# KiCad board gk-pcbv3.kicad_pcb (continued)
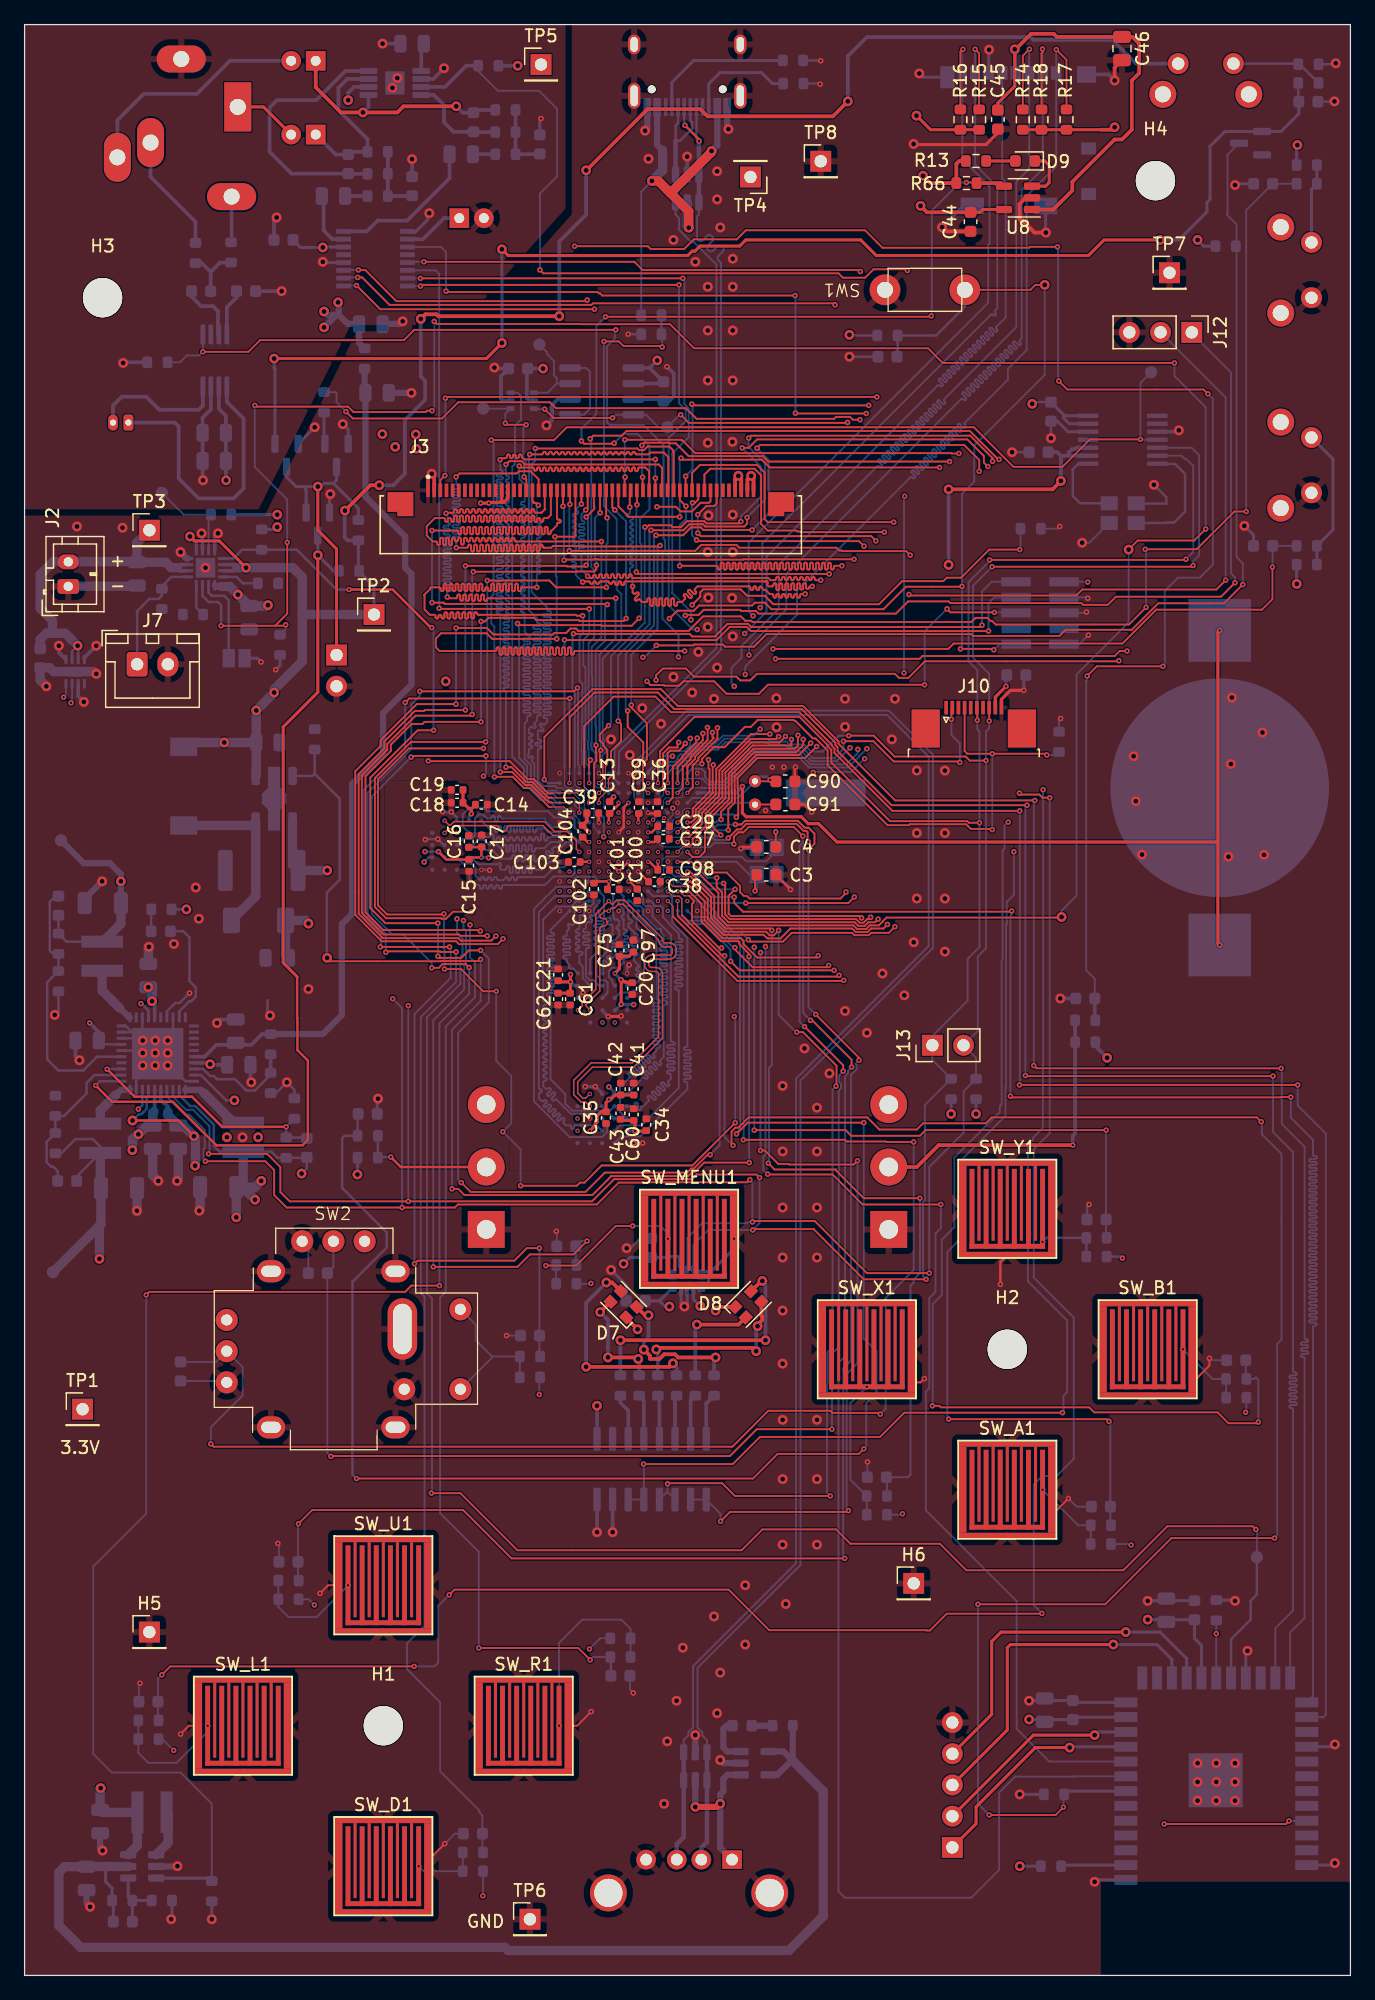
[diagram p0: board, top side]
## Routing (per net, layer and track width the routed paths; a pad name or vN(x,y) marks a point on that pad's centre or on a via; arc(x,y) is an arc through that point) (continued)
  Bottom w0.152: v1(49.5,113.03) 49.5,113.64 49.3,113.84 49.3,114.48 arc(49.33,114.55) 49.4,114.58 49.45,114.58 arc(49.52,114.61) 49.55,114.67 49.55,114.72 arc(49.52,114.79) 49.45,114.82 49.4,114.82 arc(49.33,114.85) 49.3,114.92 49.3,114.97 arc(49.33,115.03) 49.4,115.06 49.45,115.06 arc(49.52,115.09) 49.55,115.16 49.55,115.21 arc(49.52,115.28) 49.45,115.31 49.4,115.31 arc(49.33,115.33) 49.3,115.4 49.3,115.45 arc(49.33,115.52) 49.4,115.55 49.45,115.55 arc(49.52,115.58) 49.55,115.64 49.55,115.69 arc(49.52,115.76) 49.45,115.79 49.4,115.79 arc(49.33,115.82) 49.3,115.89 49.3,115.94 arc(49.33,116) 49.4,116.03 49.45,116.03 arc(49.52,116.06) 49.55,116.13 49.55,116.18 arc(49.52,116.25) 49.45,116.27 49.4,116.27 arc(49.33,116.3) 49.3,116.37 49.3,116.42 arc(49.33,116.49) 49.4,116.52 49.45,116.52 arc(49.52,116.55) 49.55,116.61 49.55,116.66 arc(49.52,116.73) 49.45,116.76 49.4,116.76 arc(49.33,116.79) 49.3,116.86 49.3,116.9 arc(49.33,116.97) 49.4,117 49.45,117 arc(49.52,117.03) 49.55,117.1 49.55,117.15 arc(49.52,117.22) 49.45,117.24 49.4,117.24 arc(49.33,117.27) 49.3,117.34 49.3,117.39 arc(49.33,117.46) 49.4,117.49 49.45,117.49 arc(49.52,117.52) 49.55,117.58 49.55,117.63 arc(49.52,117.7) 49.45,117.73 49.4,117.73 arc(49.33,117.76) 49.3,117.83 49.3,117.87 arc(49.33,117.94) 49.4,117.97 49.45,117.97 arc(49.52,118) 49.55,118.07 49.55,118.12 arc(49.52,118.19) 49.45,118.21 49.4,118.21 arc(49.33,118.24) 49.3,118.31 49.3,118.36 arc(49.33,118.43) 49.4,118.46 49.45,118.46 arc(49.52,118.48) 49.55,118.55 49.55,118.6 arc(49.52,118.67) 49.45,118.7 49.1,118.7 arc(49.03,118.73) 49,118.8 49,118.84 arc(49.03,118.91) 49.1,118.94 49.2,118.94 arc(49.27,118.97) 49.3,119.04 49.3,119.46 v1(49.28,119.48)
LTDC_G2: length 92.4
  Top w0.152: J3.33 48.85,121.88 v1(48.89,121.92) ; v3(53.97,89.03) 54.21,89.03 55.62,87.62 55.62,85.96 56.89,84.68 60.17,84.68 60.45,84.4 60.54,84.4 60.56,84.39 61.55,84.39 62.36,85.19 67.38,85.19 67.67,84.9 68.63,84.9 68.92,85.19 69.93,85.19 v1(70.26,85.52) ; v1(48.87,124.97) 53.44,124.97 53.49,124.92 53.57,124.92 54.61,123.88 75.44,123.88 75.46,123.85 v1(76.07,123.85)
  In3.Cu w0.152: v1(70.26,85.52) 70.26,97.54 72.06,99.34 72.06,106.83 75.9,110.67 75.9,123.67 v1(76.07,123.85)
  Bottom w0.152: v1(48.89,121.92) 48.87,121.95 v1(48.87,124.97)
LTDC_G3: length 88.6
  Top w0.152: v1(74.5,122.71) 60.68,122.71 60.05,123.34 53.57,123.34 v1(53.44,123.47) ; v1(68.15,86.06) 67.99,86.21 57.51,86.21 57.32,86.4 57.32,87.85 v1(57.85,88.39) ; J3.32 48.35,119.54 49.2,118.69 v1(53.34,118.69)
  In3.Cu w0.152: v1(68.15,86.06) 68.15,97.25 69.72,98.83 69.72,99.25 69.75,99.28 69.75,105.78 74.04,110.07 74.04,122.25 v1(74.5,122.71)
  Bottom w0.152: v1(53.34,118.69) 53.34,123.37 v1(53.44,123.47) ; U4.M1 55.1,89.03 55.74,88.39 v1(57.85,88.39)
LTDC_G4: length 71.6
  Top w0.152: v1(48.06,119.25) 47.85,119.46 J3.31 ; v1(37.16,102.01) 32.56,102.01 32.38,101.83 31.5,101.83 29.82,100.15 29.82,99.64 27.76,97.59 27.76,86.51 29.21,85.06 37.03,85.06 v1(37.11,84.99) ; v1(48.98,110.42) 48.77,110.21 45.19,110.21 45.11,110.29 41.66,110.29 41.47,110.48 37.78,110.48 37.49,110.19 v1(37.16,110.19)
  In3.Cu w0.152: v1(37.11,84.99) 37.88,84.99 38.14,85.24 40.39,85.24 43.37,88.23 v3(43.57,88.23)
  Bottom w0.152: v1(48.06,119.25) 48.98,118.33 v1(48.98,110.42) ; v1(37.16,102.01) v1(37.16,110.19)
LTDC_G5: length 71.9
  Top w0.152: v1(37.54,100.38) 31.47,100.38 28.52,97.44 28.52,86.94 29.43,86.03 33.92,86.03 33.97,85.98 34.3,85.98 34.89,86.56 v1(36.4,86.56) ; v1(37.67,113.51) 42.72,113.51 43.28,112.95 v1(47.37,112.95) ; J3.30 47.35,118.69 v1(47.42,118.62)
  In3.Cu w0.09: 43.83,90.56 45.23,90.56 v3(45.97,89.83)
  In3.Cu w0.152: 43.83,90.56 43.57,90.56 39.65,86.64 36.47,86.64 v1(36.4,86.56)
  Bottom w0.152: v1(37.54,100.38) 37.67,100.51 v1(37.67,113.51) ; v1(47.42,118.62) 47.47,118.57 47.47,116.56 47.37,116.46 v1(47.37,112.95)
LTDC_G6: length 70.1
  Top w0.152: v1(36.53,114.22) 44.98,114.22 45.01,114.25 46.38,114.25 46.56,114.43 v1(46.56,114.76) ; v1(36.45,102.62) 36.35,102.51 31.84,102.51 29.53,100.2 29.53,99.73 27.46,97.66 27.46,86.47 29.22,84.71 35.36,84.71 35.47,84.6 v1(37.67,84.6) ; J3.29 46.85,119.04 v1(46.86,119.02)
  In3.Cu w0.09: 43.36,87.85 43.99,87.85 v3(44.37,88.23)
  In3.Cu w0.152: 43.36,87.85 43.36,87.83 40.52,85 38.24,85 37.84,84.6 v1(37.67,84.6)
  Bottom w0.152: v1(36.53,114.22) 36.45,114.15 v1(36.45,102.62) ; v1(46.86,119.02) 46.43,118.59 46.43,115.24 46.56,115.11 v1(46.56,114.76)
LTDC_G7: length 69.3
  Top w0.152: v1(45.73,114.77) 45.62,114.66 44.17,114.66 44.12,114.71 v1(35.89,114.71) ; J3.28 46.35,119.59 46.38,119.56 46.38,119.33 v1(45.73,118.68) ; v1(35.89,102.97) 32.59,102.97 32.51,102.9 31.78,102.9 29.29,100.41 29.29,99.85 28.07,98.63 28.07,98.62 27.2,97.75 27.2,86.39 29.18,84.41 35.31,84.41 35.52,84.21 38,84.21 v1(38.38,84.58)
  In3.Cu w0.152: v3(43.57,87.43) 43.39,87.43 40.67,84.71 39.5,84.71 39.45,84.76 38.78,84.76 38.68,84.66 38.45,84.66 v1(38.38,84.58)
  Bottom w0.152: v1(45.73,118.68) 45.87,118.54 45.87,114.91 v1(45.73,114.77) ; v1(35.89,102.97) v1(35.89,114.71)
LTDC_HSYNC: length 73.2
  Top w0.152: v1(49.4,103.38) 49.4,103.17 50.67,101.9 50.67,98.96 50.36,98.65 50.36,96.63 v3(50.77,96.23) ; v1(51.74,116.36) 51.67,116.28 45.11,116.28 45.07,116.32 43.01,116.32 42.88,116.18 42.27,116.18 arc(42.2,116.21) 42.17,116.28 42.17,116.33 arc(42.15,116.4) 42.08,116.43 42.03,116.43 arc(41.96,116.4) 41.93,116.33 41.93,115.98 arc(41.9,115.91) 41.83,115.88 41.79,115.88 arc(41.72,115.91) 41.69,115.98 41.69,116.33 arc(41.66,116.4) 41.59,116.43 41.54,116.43 arc(41.47,116.4) 41.45,116.33 41.45,115.98 arc(41.42,115.91) 41.35,115.88 41.3,115.88 arc(41.23,115.91) 41.2,115.98 41.2,116.33 arc(41.18,116.4) 41.11,116.43 41.06,116.43 arc(40.99,116.4) 40.96,116.33 40.96,115.98 arc(40.93,115.91) 40.86,115.88 40.82,115.88 arc(40.75,115.91) 40.72,115.98 40.72,116.33 arc(40.69,116.4) 40.62,116.43 40.57,116.43 arc(40.51,116.4) 40.48,116.33 40.48,115.98 arc(40.45,115.91) 40.38,115.88 40.33,115.88 arc(40.26,115.91) 40.23,115.98 40.23,116.33 arc(40.21,116.4) 40.14,116.43 40.09,116.43 arc(40.02,116.4) 39.99,116.33 39.99,115.98 arc(39.96,115.91) 39.9,115.88 39.85,115.88 arc(39.78,115.91) 39.75,115.98 39.75,116.33 arc(39.72,116.4) 39.65,116.43 39.6,116.43 arc(39.54,116.4) 39.51,116.33 39.51,115.98 arc(39.48,115.91) 39.41,115.88 39.36,115.88 arc(39.29,115.91) 39.26,115.98 39.26,116.33 arc(39.24,116.4) 39.17,116.43 39.12,116.43 arc(39.05,116.4) 39.02,116.33 39.02,115.98 arc(38.99,115.91) 38.93,115.88 38.88,115.88 arc(38.81,115.91) 38.78,115.98 38.78,116.33 arc(38.75,116.4) 38.68,116.43 38.63,116.43 arc(38.57,116.4) 38.54,116.33 38.54,115.98 arc(38.51,115.91) 38.44,115.88 38.39,115.88 arc(38.32,115.91) 38.3,115.98 38.3,116.33 arc(38.27,116.4) 38.2,116.43 38.15,116.43 arc(38.08,116.4) 38.05,116.33 38.05,115.98 arc(38.02,115.91) 37.96,115.88 37.91,115.88 arc(37.84,115.91) 37.81,115.98 37.81,116.33 arc(37.78,116.4) 37.71,116.43 37.67,116.43 arc(37.6,116.4) 37.57,116.33 37.57,115.98 arc(37.54,115.91) 37.47,115.88 37.42,115.88 arc(37.35,115.91) 37.33,115.98 37.33,116.33 arc(37.3,116.4) 37.23,116.43 37.18,116.43 arc(37.11,116.4) 37.08,116.33 37.08,115.98 arc(37.05,115.91) 36.99,115.88 36.94,115.88 arc(36.87,115.91) 36.84,115.98 36.84,116.33 arc(36.81,116.4) 36.74,116.43 36.7,116.43 arc(36.63,116.4) 36.6,116.33 36.6,115.98 arc(36.57,115.91) 36.5,115.88 36.45,115.88 arc(36.38,115.91) 36.36,115.98 36.36,116.33 arc(36.33,116.4) 36.26,116.43 36.21,116.43 arc(36.14,116.4) 36.11,116.33 36.11,116.28 arc(36.09,116.21) 36.02,116.18 v1(35.15,116.18) ; J3.19 41.85,121.75 41.2,122.4 40.25,122.4 40.07,122.22 35.41,122.22 v1(35.13,121.95)
  Bottom w0.152: v1(51.74,116.36) 51.54,116.15 51.54,109.6 49.4,107.47 v1(49.4,103.38) ; v1(35.13,121.95) 35.15,121.92 35.15,121.3 arc(35.18,121.23) 35.25,121.21 35.36,121.21 arc(35.43,121.18) 35.45,121.11 35.45,121.06 arc(35.43,120.99) 35.36,120.96 34.95,120.96 arc(34.88,120.94) 34.85,120.87 34.85,120.82 arc(34.88,120.75) 34.95,120.72 35.36,120.72 arc(35.43,120.69) 35.45,120.62 35.45,120.58 arc(35.43,120.51) 35.36,120.48 34.95,120.48 arc(34.88,120.45) 34.85,120.38 34.85,120.33 arc(34.88,120.26) 34.95,120.24 35.36,120.24 arc(35.43,120.21) 35.45,120.14 35.45,120.09 arc(35.43,120.02) 35.36,119.99 34.95,119.99 arc(34.88,119.97) 34.85,119.9 34.85,119.85 arc(34.88,119.78) 34.95,119.75 35.36,119.75 arc(35.43,119.72) 35.45,119.65 35.45,119.61 arc(35.43,119.54) 35.36,119.51 34.95,119.51 arc(34.88,119.48) 34.85,119.41 34.85,119.36 arc(34.88,119.3) 34.95,119.27 35.36,119.27 arc(35.43,119.24) 35.45,119.17 35.45,119.12 arc(35.43,119.05) 35.36,119.02 34.95,119.02 arc(34.88,119) 34.85,118.93 34.85,118.88 arc(34.88,118.81) 34.95,118.78 35.36,118.78 arc(35.43,118.75) 35.45,118.69 35.45,118.64 arc(35.43,118.57) 35.36,118.54 34.95,118.54 arc(34.88,118.51) 34.85,118.44 34.85,118.39 arc(34.88,118.33) 34.95,118.3 35.36,118.3 arc(35.43,118.27) 35.45,118.2 35.45,118.15 arc(35.43,118.08) 35.36,118.05 34.95,118.05 arc(34.88,118.03) 34.85,117.96 34.85,117.91 arc(34.88,117.84) 34.95,117.81 35.36,117.81 arc(35.43,117.78) 35.45,117.72 35.45,117.67 arc(35.43,117.6) 35.36,117.57 34.95,117.57 arc(34.88,117.54) 34.85,117.47 34.85,117.42 arc(34.88,117.36) 34.95,117.33 35.36,117.33 arc(35.43,117.3) 35.45,117.23 35.45,117.18 arc(35.43,117.11) 35.36,117.09 34.95,117.09 arc(34.88,117.06) 34.85,116.99 34.85,116.94 arc(34.88,116.87) 34.95,116.84 35.06,116.84 arc(35.13,116.81) 35.15,116.75 v1(35.15,116.18)
LTDC_R0: length 65.4
  Top w0.152: J3.27 45.85,119.41 v1(45.69,119.25) ; v1(64.82,113.54) 64.43,113.54 arc(64.36,113.57) 64.33,113.63 64.33,113.69 arc(64.3,113.76) 64.24,113.79 64.19,113.79 arc(64.12,113.76) 64.09,113.69 64.09,113.63 arc(64.06,113.57) 63.99,113.54 63.94,113.54 arc(63.88,113.57) 63.85,113.63 63.85,113.69 arc(63.82,113.76) 63.75,113.79 63.7,113.79 arc(63.63,113.76) 63.61,113.69 63.61,113.63 arc(63.58,113.57) 63.51,113.54 63.46,113.54 arc(63.39,113.57) 63.36,113.63 63.36,113.69 arc(63.33,113.76) 63.27,113.79 63.22,113.79 arc(63.15,113.76) 63.12,113.69 63.12,113.63 arc(63.09,113.57) 63.02,113.54 62.98,113.54 arc(62.91,113.57) 62.88,113.63 62.88,113.69 arc(62.85,113.76) 62.78,113.79 62.73,113.79 arc(62.66,113.76) 62.64,113.69 62.64,113.63 arc(62.61,113.57) 62.54,113.54 62.49,113.54 arc(62.42,113.57) 62.39,113.63 62.39,113.69 arc(62.37,113.76) 62.3,113.79 62.25,113.79 arc(62.18,113.76) 62.15,113.69 62.15,113.63 arc(62.12,113.57) 62.05,113.54 62.01,113.54 arc(61.94,113.57) 61.91,113.63 61.91,113.69 arc(61.88,113.76) 61.81,113.79 61.76,113.79 arc(61.69,113.76) 61.67,113.69 61.67,113.63 arc(61.64,113.57) 61.57,113.54 61.52,113.54 arc(61.45,113.57) 61.42,113.63 61.42,113.69 arc(61.4,113.76) 61.33,113.79 61.28,113.79 arc(61.21,113.76) 61.18,113.69 61.18,113.63 arc(61.15,113.57) 61.08,113.54 60.73,113.54 60.55,113.72 49.54,113.72 arc(49.47,113.74) 49.44,113.81 49.44,113.92 arc(49.41,113.99) 49.34,114.02 49.29,114.02 arc(49.22,113.99) 49.2,113.92 49.2,113.81 arc(49.17,113.74) 49.1,113.72 49.05,113.72 arc(48.98,113.74) 48.95,113.81 48.95,113.92 arc(48.93,113.99) 48.86,114.02 48.81,114.02 arc(48.74,113.99) 48.71,113.92 48.71,113.81 arc(48.68,113.74) 48.61,113.72 48.57,113.72 arc(48.5,113.74) 48.47,113.81 48.47,113.92 arc(48.44,113.99) 48.37,114.02 48.32,114.02 arc(48.25,113.99) 48.23,113.92 48.23,113.81 arc(48.2,113.74) 48.13,113.72 48.08,113.72 arc(48.01,113.74) 47.98,113.81 47.98,113.92 arc(47.96,113.99) 47.89,114.02 47.84,114.02 arc(47.77,113.99) 47.74,113.92 47.74,113.81 arc(47.71,113.74) 47.64,113.72 47.6,113.72 arc(47.53,113.74) 47.5,113.81 47.5,113.92 arc(47.47,113.99) 47.4,114.02 47.35,114.02 arc(47.29,113.99) 47.26,113.92 47.26,113.81 arc(47.23,113.74) 47.16,113.72 47.11,113.72 arc(47.04,113.74) 47.01,113.81 47.01,113.92 arc(46.99,113.99) 46.92,114.02 46.87,114.02 arc(46.8,113.99) 46.77,113.92 46.77,113.81 arc(46.74,113.74) 46.68,113.72 46.63,113.72 arc(46.56,113.74) 46.53,113.81 46.53,113.87 arc(46.5,113.94) 46.43,113.97 46.38,113.97 arc(46.32,113.94) 46.29,113.87 46.29,113.81 arc(46.26,113.74) 46.19,113.72 45.99,113.72 v1(45.85,113.86) ; v1(62.43,100.58) 62.43,100.1 62.42,100.09 59.27,100.09 57.07,97.88 57.07,95.8 55.71,94.44 55.71,93.4 55.39,93.08 55.39,91.45 54.96,91.02 54.37,91.02 v3(53.97,91.43)
  In3.Cu w0.152: v1(62.43,100.58) 62.48,100.63 62.48,108.41 64.82,110.74 v1(64.82,113.54)
  Bottom w0.152: v1(45.85,113.86) 45.85,113.87 45.34,114.38 45.34,115.58 arc(45.37,115.65) 45.44,115.68 45.49,115.68 arc(45.56,115.71) 45.59,115.78 45.59,115.82 arc(45.56,115.89) 45.49,115.92 45.24,115.92 arc(45.17,115.95) 45.14,116.02 45.14,116.07 arc(45.17,116.14) 45.24,116.16 45.49,116.16 arc(45.56,116.19) 45.59,116.26 45.59,116.31 arc(45.56,116.38) 45.49,116.41 45.24,116.41 arc(45.17,116.44) 45.14,116.5 45.14,116.55 arc(45.17,116.62) 45.24,116.65 45.49,116.65 arc(45.56,116.68) 45.59,116.75 45.59,116.79 arc(45.56,116.86) 45.49,116.89 45.24,116.89 arc(45.17,116.92) 45.14,116.99 45.14,117.04 arc(45.17,117.11) 45.24,117.13 45.49,117.13 arc(45.56,117.16) 45.59,117.23 45.59,117.28 arc(45.56,117.35) 45.49,117.38 45.24,117.38 arc(45.17,117.4) 45.14,117.47 45.14,117.52 arc(45.17,117.59) 45.24,117.62 45.49,117.62 arc(45.56,117.65) 45.59,117.72 45.59,117.76 arc(45.56,117.83) 45.49,117.86 45.24,117.86 arc(45.17,117.89) 45.14,117.96 45.14,118.01 arc(45.17,118.08) 45.24,118.1 45.49,118.1 arc(45.56,118.13) 45.59,118.2 45.59,118.25 arc(45.56,118.32) 45.49,118.35 45.44,118.35 arc(45.37,118.37) 45.34,118.44 45.34,118.9 v1(45.69,119.25)
LTDC_R1: length 65
  Top w0.09: 54.14,91.86 53.6,91.86 v3(53.17,91.43)
  Top w0.152: 54.14,91.86 54.4,92.11 54.4,92.47 55.47,93.54 55.47,94.55 56.81,95.9 56.81,97.97 59.17,100.33 61.46,100.33 v1(61.95,100.83) ; J3.26 45.34,120.84 v1(45.34,119.74) ; v1(45.44,113.39) 45.49,113.44 45.96,113.44 arc(46.03,113.41) 46.06,113.34 46.06,113.33 arc(46.08,113.26) 46.15,113.24 46.2,113.24 arc(46.27,113.26) 46.3,113.33 46.3,113.34 arc(46.33,113.41) 46.39,113.44 46.44,113.44 arc(46.51,113.41) 46.54,113.34 46.54,113.33 arc(46.57,113.26) 46.64,113.24 46.69,113.24 arc(46.75,113.26) 46.78,113.33 46.78,113.34 arc(46.81,113.41) 46.88,113.44 47.51,113.44 arc(47.58,113.41) 47.61,113.34 47.61,113.33 arc(47.64,113.26) 47.71,113.24 47.75,113.24 arc(47.82,113.26) 47.85,113.33 47.85,113.34 arc(47.88,113.41) 47.95,113.44 48,113.44 arc(48.07,113.41) 48.09,113.34 48.09,113.23 arc(48.12,113.16) 48.19,113.14 48.24,113.14 arc(48.31,113.16) 48.34,113.23 48.34,113.34 arc(48.37,113.41) 48.43,113.44 48.48,113.44 arc(48.55,113.41) 48.58,113.34 48.58,113.23 arc(48.61,113.16) 48.68,113.14 48.72,113.14 arc(48.79,113.16) 48.82,113.23 48.82,113.34 arc(48.85,113.41) 48.92,113.44 60.17,113.44 arc(60.24,113.41) 60.31,113.44 60.31,113.44 arc(60.38,113.47) 60.45,113.44 60.49,113.41 arc(60.51,113.34) 60.49,113.27 60.48,113.26 arc(60.45,113.2) 60.48,113.13 60.58,113.03 60.87,113.03 arc(60.94,113.06) 60.97,113.13 60.97,113.18 arc(61,113.25) 61.07,113.28 61.11,113.28 arc(61.18,113.25) 61.21,113.18 61.21,112.83 arc(61.24,112.76) 61.31,112.73 61.36,112.73 arc(61.42,112.76) 61.45,112.83 61.45,113.18 arc(61.48,113.25) 61.55,113.28 61.6,113.28 arc(61.67,113.25) 61.7,113.18 61.7,112.83 arc(61.72,112.76) 61.79,112.73 61.84,112.73 arc(61.91,112.76) 61.94,112.83 61.94,113.18 arc(61.97,113.25) 62.03,113.28 62.08,113.28 arc(62.15,113.25) 62.18,113.18 62.18,112.83 arc(62.21,112.76) 62.28,112.73 62.33,112.73 arc(62.39,112.76) 62.42,112.83 62.42,113.18 arc(62.45,113.25) 62.52,113.28 62.57,113.28 arc(62.64,113.25) 62.67,113.18 62.67,112.83 arc(62.69,112.76) 62.76,112.73 62.81,112.73 arc(62.88,112.76) 62.91,112.83 62.91,113.18 arc(62.94,113.25) 63,113.28 63.05,113.28 arc(63.12,113.25) 63.15,113.18 63.15,112.88 arc(63.18,112.81) 63.25,112.78 63.3,112.78 arc(63.36,112.81) 63.39,112.88 63.39,113.18 arc(63.42,113.25) 63.49,113.28 63.54,113.28 arc(63.61,113.25) 63.63,113.18 63.63,112.93 arc(63.66,112.86) 63.73,112.83 63.78,112.83 arc(63.85,112.86) 63.88,112.93 63.88,112.93 arc(63.91,113) 63.97,113.03 v1(64.13,113.03)
  In3.Cu w0.152: v1(61.95,100.83) 62.15,101.03 62.15,108.64 64.13,110.62 v1(64.13,113.03)
  Bottom w0.152: v1(45.44,113.39) 44.88,113.94 44.88,114.43 arc(44.85,114.5) 44.78,114.53 44.68,114.53 arc(44.61,114.55) 44.58,114.62 44.58,114.67 arc(44.61,114.74) 44.68,114.77 44.78,114.77 arc(44.85,114.8) 44.88,114.87 44.88,114.91 arc(44.85,114.98) 44.78,115.01 44.68,115.01 arc(44.61,115.04) 44.58,115.11 44.58,115.16 arc(44.61,115.22) 44.68,115.25 44.78,115.25 arc(44.85,115.28) 44.88,115.35 44.88,115.4 arc(44.85,115.47) 44.78,115.5 44.78,115.5 arc(44.71,115.52) 44.68,115.59 44.68,115.64 arc(44.71,115.71) 44.78,115.74 44.78,115.74 arc(44.85,115.77) 44.88,115.83 44.88,116.18 arc(44.85,116.24) 44.78,116.27 44.73,116.27 arc(44.66,116.3) 44.63,116.37 44.63,116.42 arc(44.66,116.49) 44.73,116.52 44.78,116.52 arc(44.85,116.54) 44.88,116.61 44.88,116.66 arc(44.85,116.73) 44.78,116.76 44.73,116.76 arc(44.66,116.79) 44.63,116.85 44.63,116.9 arc(44.66,116.97) 44.73,117 44.78,117 arc(44.85,117.03) 44.88,117.1 44.88,117.15 arc(44.85,117.21) 44.78,117.24 44.73,117.24 arc(44.66,117.27) 44.63,117.34 44.63,117.39 arc(44.66,117.46) 44.73,117.48 44.78,117.48 arc(44.85,117.51) 44.88,117.58 44.88,117.63 arc(44.85,117.7) 44.78,117.73 44.73,117.73 arc(44.66,117.76) 44.63,117.82 44.63,117.87 arc(44.66,117.94) 44.73,117.97 44.78,117.97 arc(44.85,118) 44.88,118.07 44.88,118.11 arc(44.85,118.18) 44.78,118.21 44.73,118.21 arc(44.66,118.24) 44.63,118.31 44.63,118.36 arc(44.66,118.43) 44.73,118.45 44.78,118.45 arc(44.85,118.48) 44.88,118.55 44.88,118.6 arc(44.85,118.67) 44.78,118.7 44.73,118.7 arc(44.66,118.73) 44.63,118.79 44.63,118.84 arc(44.66,118.91) 44.73,118.94 44.98,118.94 arc(45.05,118.97) 45.08,119.04 45.08,119.08 arc(45.05,119.15) 44.98,119.18 44.98,119.18 arc(44.91,119.21) 44.88,119.28 v1(45.34,119.74)
LTDC_R2: length 72
  Top w0.152: v1(55.22,101.07) 55.22,100.56 55.24,100.53 54.25,99.54 54.25,99.52 53.83,99.1 53.83,99.04 53.17,98.37 v3(53.17,97.03) ; v1(43.33,108.76) 38.07,108.76 37.62,109.22 33.91,109.22 33.48,108.79 33.48,108.08 33.78,107.77 38.33,107.77 arc(38.4,107.8) 38.42,107.87 38.42,107.98 arc(38.45,108.04) 38.52,108.07 38.57,108.07 arc(38.64,108.04) 38.67,107.98 38.67,107.57 arc(38.7,107.5) 38.76,107.47 38.81,107.47 arc(38.88,107.5) 38.91,107.57 38.91,107.98 arc(38.94,108.04) 39.01,108.07 39.05,108.07 arc(39.12,108.04) 39.15,107.98 39.15,107.57 arc(39.18,107.5) 39.25,107.47 39.3,107.47 arc(39.37,107.5) 39.39,107.57 39.39,107.98 arc(39.42,108.04) 39.49,108.07 39.54,108.07 arc(39.61,108.04) 39.64,107.98 39.64,107.57 arc(39.66,107.5) 39.73,107.47 39.78,107.47 arc(39.85,107.5) 39.88,107.57 39.88,107.98 arc(39.91,108.04) 39.98,108.07 40.02,108.07 arc(40.09,108.04) 40.12,107.98 40.12,107.57 arc(40.15,107.5) 40.22,107.47 40.27,107.47 arc(40.34,107.5) 40.36,107.57 40.36,107.98 arc(40.39,108.04) 40.46,108.07 40.51,108.07 arc(40.58,108.04) 40.61,107.98 40.61,107.57 arc(40.63,107.5) 40.7,107.47 40.75,107.47 arc(40.82,107.5) 40.85,107.57 40.85,107.98 arc(40.88,108.04) 40.95,108.07 40.99,108.07 arc(41.06,108.04) 41.09,107.98 41.09,107.57 arc(41.12,107.5) 41.19,107.47 41.24,107.47 arc(41.3,107.5) 41.33,107.57 41.33,107.98 arc(41.36,108.04) 41.43,108.07 41.48,108.07 arc(41.55,108.04) 41.58,107.98 41.58,107.57 arc(41.6,107.5) 41.67,107.47 41.72,107.47 arc(41.79,107.5) 41.82,107.57 41.82,107.98 arc(41.85,108.04) 41.92,108.07 41.96,108.07 arc(42.03,108.04) 42.06,107.98 42.06,107.57 arc(42.09,107.5) 42.16,107.47 42.21,107.47 arc(42.27,107.5) 42.3,107.57 42.3,107.98 arc(42.33,108.04) 42.4,108.07 42.45,108.07 arc(42.52,108.04) 42.55,107.98 42.55,107.57 arc(42.57,107.5) 42.64,107.47 42.69,107.47 arc(42.76,107.5) 42.79,107.57 42.79,107.98 arc(42.82,108.04) 42.88,108.07 42.93,108.07 arc(43,108.04) 43.03,107.98 43.03,107.57 arc(43.06,107.5) 43.13,107.47 43.18,107.47 arc(43.24,107.5) 43.27,107.57 43.27,107.98 arc(43.3,108.04) 43.37,108.07 43.42,108.07 arc(43.49,108.04) 43.51,107.98 43.51,107.57 arc(43.54,107.5) 43.61,107.47 43.66,107.47 arc(43.73,107.5) 43.76,107.57 43.76,107.98 arc(43.79,108.04) 43.85,108.07 43.9,108.07 arc(43.97,108.04) 44,107.98 44,107.57 arc(44.03,107.5) 44.1,107.47 44.15,107.47 arc(44.21,107.5) 44.24,107.57 44.24,107.98 arc(44.27,108.04) 44.34,108.07 44.39,108.07 arc(44.46,108.04) 44.48,107.98 44.48,107.57 arc(44.51,107.5) 44.58,107.47 44.63,107.47 arc(44.7,107.5) 44.73,107.57 44.73,107.68 arc(44.76,107.74) 44.82,107.77 v1(53.75,107.77) ; v1(43.18,117.08) 44.74,117.08 44.85,117.19 J3.25
  In3.Cu w0.152: v1(55.22,101.07) 55.21,101.08 55.21,101.79 56.84,103.43 56.84,104.09 56.41,104.52 56.41,104.52 53.75,107.19 v1(53.75,107.77)
  Bottom w0.152: v1(43.18,117.08) 43.26,117 43.26,113.84 43.33,113.77 v1(43.33,108.76)
LTDC_R3: length 71.3
  Top w0.152: v1(44.35,115.93) 54.61,115.93 55.09,116.41 57.96,116.41 58.19,116.18 66.09,116.18 66.32,115.95 66.52,115.95 66.57,115.9 71.78,115.9 v1(72.11,115.57) ; v1(44.4,119.71) 44.4,120.8 J3.24
  In3.Cu w0.152: v1(67.84,99.77) 67.84,100.3 68.12,100.58 68.12,106.53 72.21,110.62 72.21,111.89 72.4,112.07 72.4,115.28 v1(72.11,115.57)
  Bottom w0.09: 55.19,97.4 53.81,97.4 53.51,97.09 53.51,96.84 53.28,96.61 52.14,96.61 52.01,96.48 52.01,96.05 51.57,95.61 U4.D5
  Bottom w0.152: v1(44.35,115.93) 44.35,119.66 v1(44.4,119.71) ; v1(67.84,99.77) 67.84,99.48 67.67,99.31 67.67,99.29 66.93,98.55 63.97,98.55 63.18,99.34 62.87,99.34 62.79,99.42 59,99.42 57.86,98.28 57.86,97.72 57.03,96.89 55.69,96.89 55.19,97.39 55.19,97.4
LTDC_R4: length 79.1
  Top w0.09: v3(52.37,89.03) 52.76,88.63 54.09,88.63
  Top w0.152: 54.09,88.63 54.14,88.63 55.36,87.41 55.36,85.86 56.79,84.43 56.81,84.43 56.83,84.4 58.32,84.4 58.53,84.2 58.53,83.94 59.64,82.83 64.47,82.83 v1(64.62,82.98) ; v1(67.54,115.24) 58.55,115.24 58.52,115.21 46.76,115.21 46.72,115.25 46.4,115.25 46.36,115.21 43.97,115.21 v1(43.92,115.16) ; J3.23 43.84,120.84 v1(43.84,119.56)
  In3.Cu w0.152: v1(67.54,115.24) 67.67,115.11 67.67,110.74 64.69,107.77 64.69,100.71 64.92,100.48 64.92,99.75 64.62,99.44 v1(64.62,82.98)
  Bottom w0.152: v1(43.92,115.16) 43.92,119.48 v1(43.84,119.56)
LTDC_R5: length 69
  Top w0.152: v1(33.17,117.58) 35.22,117.58 arc(35.29,117.55) 35.31,117.48 35.31,117.37 arc(35.34,117.3) 35.41,117.28 35.46,117.28 arc(35.53,117.3) 35.56,117.37 35.56,117.78 arc(35.59,117.85) 35.65,117.88 35.7,117.88 arc(35.77,117.85) 35.8,117.78 35.8,117.37 arc(35.83,117.3) 35.9,117.28 35.94,117.28 arc(36.01,117.3) 36.04,117.37 36.04,117.78 arc(36.07,117.85) 36.14,117.88 36.19,117.88 arc(36.26,117.85) 36.28,117.78 36.28,117.37 arc(36.31,117.3) 36.38,117.28 36.43,117.28 arc(36.5,117.3) 36.53,117.37 36.53,117.78 arc(36.56,117.85) 36.62,117.88 36.67,117.88 arc(36.74,117.85) 36.77,117.78 36.77,117.37 arc(36.8,117.3) 36.87,117.28 36.91,117.28 arc(36.98,117.3) 37.01,117.37 37.01,117.78 arc(37.04,117.85) 37.11,117.88 37.16,117.88 arc(37.23,117.85) 37.25,117.78 37.25,117.37 arc(37.28,117.3) 37.35,117.28 37.4,117.28 arc(37.47,117.3) 37.5,117.37 37.5,117.78 arc(37.52,117.85) 37.59,117.88 37.64,117.88 arc(37.71,117.85) 37.74,117.78 37.74,117.37 arc(37.77,117.3) 37.84,117.28 37.88,117.28 arc(37.95,117.3) 37.98,117.37 37.98,117.78 arc(38.01,117.85) 38.08,117.88 38.13,117.88 arc(38.2,117.85) 38.22,117.78 38.22,117.37 arc(38.25,117.3) 38.32,117.28 38.37,117.28 arc(38.44,117.3) 38.47,117.37 38.47,117.78 arc(38.49,117.85) 38.56,117.88 38.61,117.88 arc(38.68,117.85) 38.71,117.78 38.71,117.37 arc(38.74,117.3) 38.81,117.28 38.85,117.28 arc(38.92,117.3) 38.95,117.37 38.95,117.78 arc(38.98,117.85) 39.05,117.88 39.1,117.88 arc(39.16,117.85) 39.19,117.78 39.19,117.37 arc(39.22,117.3) 39.29,117.28 39.34,117.28 arc(39.41,117.3) 39.44,117.37 39.44,117.78 arc(39.46,117.85) 39.53,117.88 39.58,117.88 arc(39.65,117.85) 39.68,117.78 39.68,117.37 arc(39.71,117.3) 39.77,117.28 39.82,117.28 arc(39.89,117.3) 39.92,117.37 39.92,117.78 arc(39.95,117.85) 40.02,117.88 40.07,117.88 arc(40.13,117.85) 40.16,117.78 40.16,117.37 arc(40.19,117.3) 40.26,117.28 40.31,117.28 arc(40.38,117.3) 40.41,117.37 40.41,117.78 arc(40.43,117.85) 40.5,117.88 40.55,117.88 arc(40.62,117.85) 40.65,117.78 40.65,117.37 arc(40.68,117.3) 40.74,117.28 40.79,117.28 arc(40.86,117.3) 40.89,117.37 40.89,117.78 arc(40.92,117.85) 40.99,117.88 41.04,117.88 arc(41.1,117.85) 41.13,117.78 41.13,117.37 arc(41.16,117.3) 41.23,117.28 41.28,117.28 arc(41.35,117.3) 41.37,117.37 41.37,117.78 arc(41.4,117.85) 41.47,117.88 41.52,117.88 arc(41.59,117.85) 41.62,117.78 41.62,117.37 arc(41.65,117.3) 41.71,117.28 41.76,117.28 arc(41.83,117.3) 41.86,117.37 41.86,117.78 arc(41.89,117.85) 41.96,117.88 42,117.88 arc(42.07,117.85) 42.1,117.78 42.1,117.37 arc(42.13,117.3) 42.2,117.28 42.25,117.28 arc(42.32,117.3) 42.34,117.37 42.34,117.78 arc(42.37,117.85) 42.44,117.88 42.49,117.88 arc(42.56,117.85) 42.59,117.78 42.59,117.37 arc(42.62,117.3) 42.68,117.28 42.73,117.28 arc(42.8,117.3) 42.83,117.37 42.83,117.48 arc(42.86,117.55) 42.93,117.58 43.35,118 43.35,118.12 arc(43.38,118.19) 43.45,118.22 43.55,118.22 arc(43.62,118.25) 43.65,118.32 43.65,118.36 arc(43.62,118.43) 43.55,118.46 43.45,118.46 arc(43.38,118.49) 43.35,118.56 J3.22 ; v1(46.37,95.8) 46.37,98.63 46.56,98.82 46.56,99.5 46.52,99.53 v1(46.52,100.11) ; v1(47.45,111.56) 47.4,111.6 34.22,111.6 34.11,111.71 v1(33.17,111.71)
  Bottom w0.09: U4.G11 46.35,93.45 46.35,95.77 v1(46.37,95.8)
  Bottom w0.152: v1(47.45,111.56) 47.27,111.38 47.27,108.61 46.51,107.85 46.51,104.05 46.48,104.03 46.48,101.74 46.52,101.7 v1(46.52,100.11) ; v1(33.17,111.71) v1(33.17,117.58)
